# Altium PCB ESP32遥控.PcbDoc
Units mil, origin at the board's own origin, x right, y up, seen from the top; angles counter-clockwise.
Board outline 3937.01 x 2583.19 mil, 2 copper layers (Top1, Bottom2), stack 40.202 mil thick; 58 components, 64 nets, 288 pads, 109 vias.
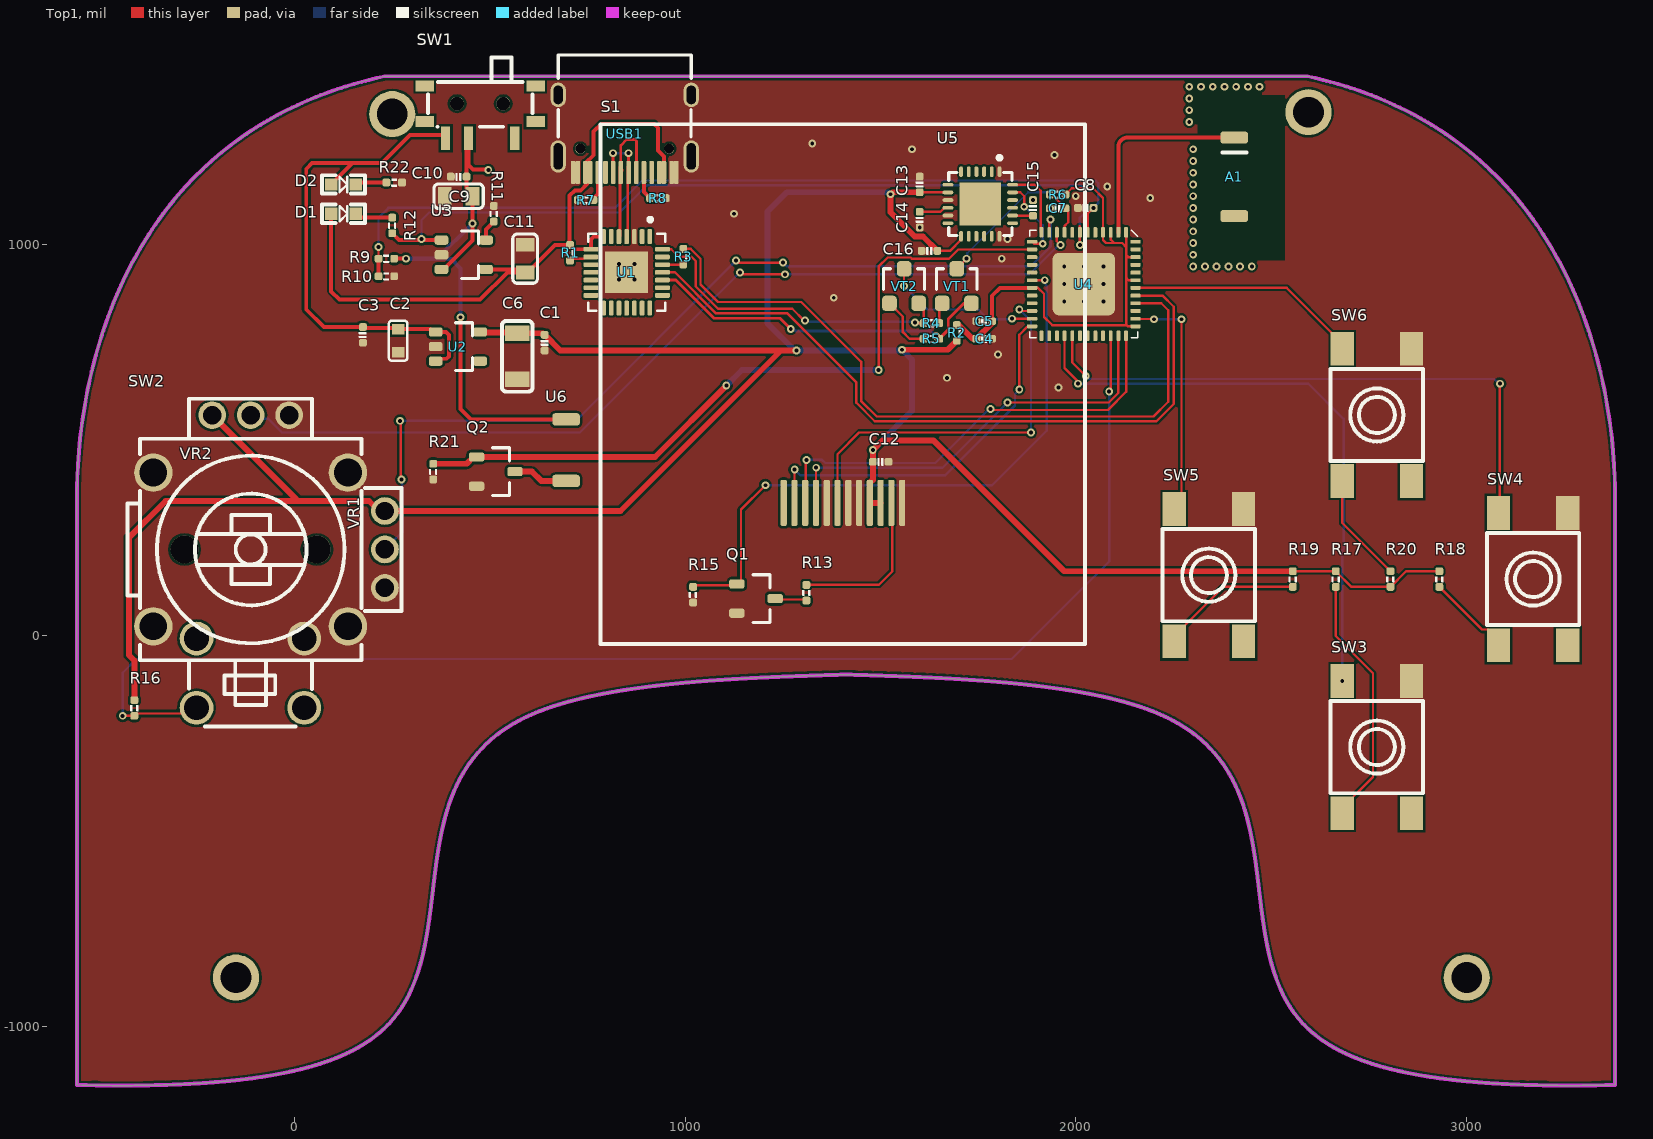
[diagram p0: Top1 view]
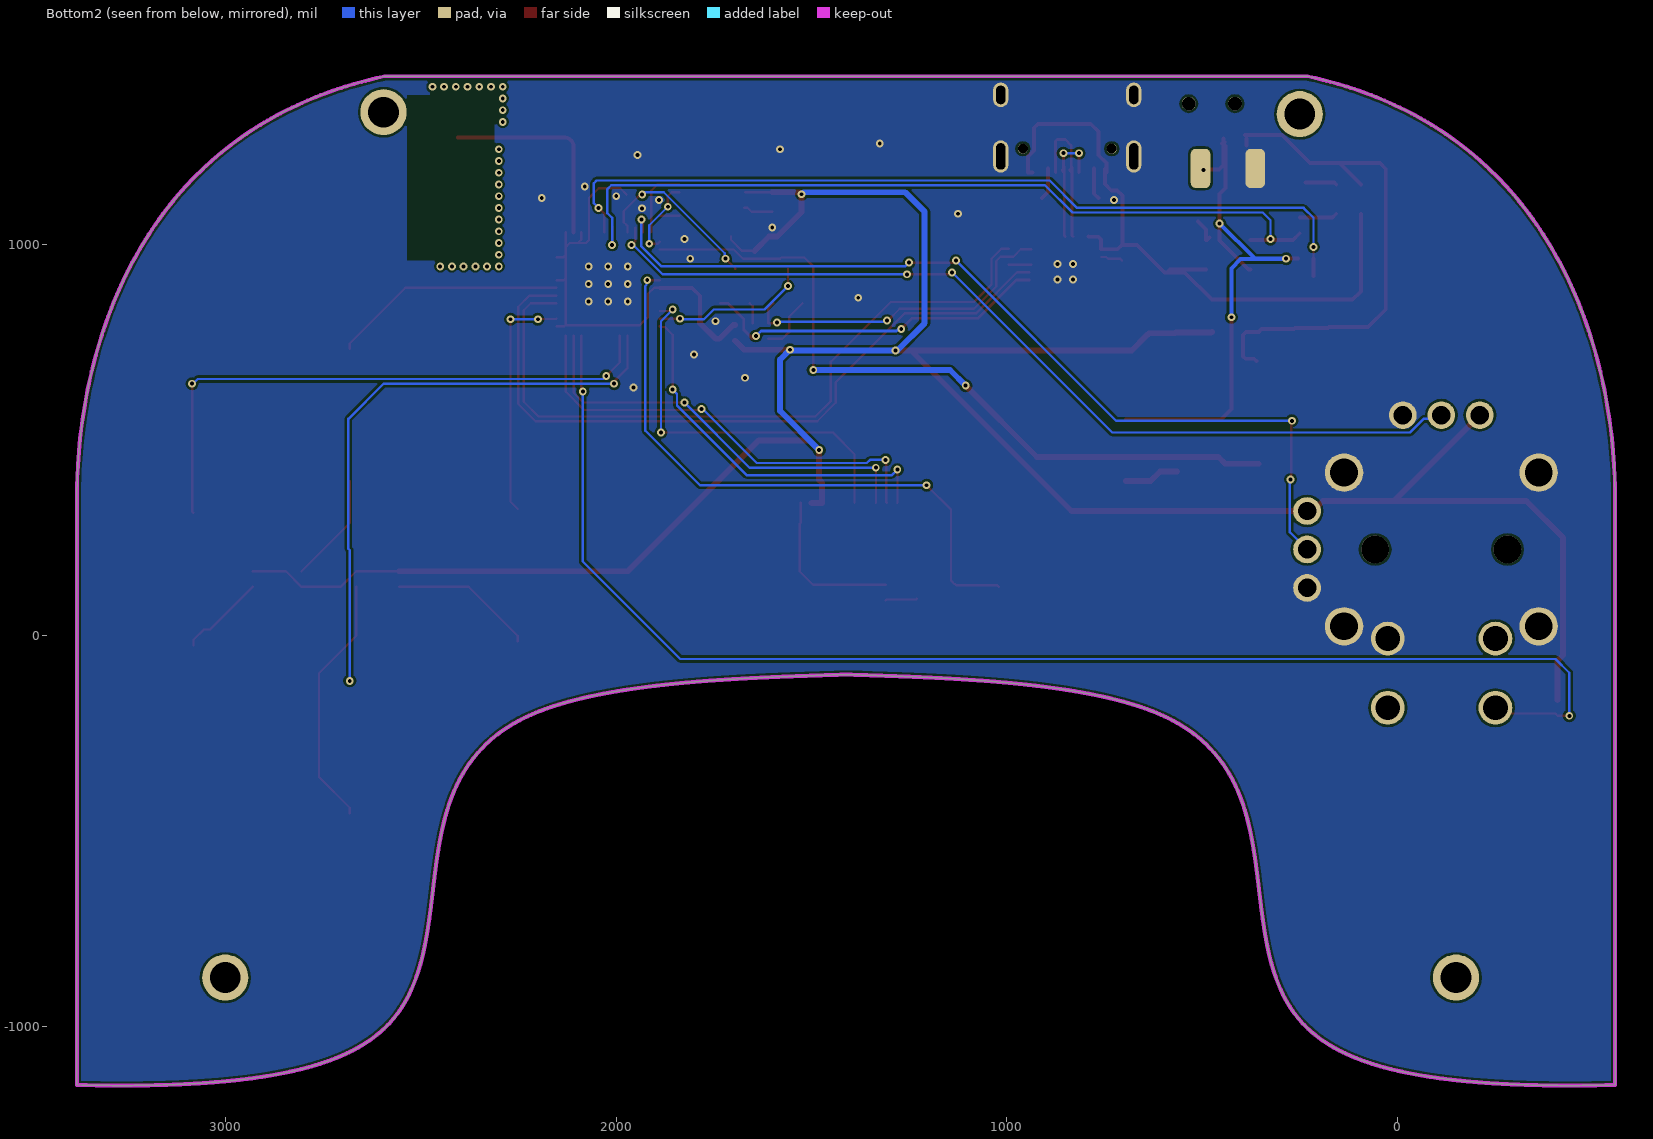
[diagram p1: Bottom2 view, seen from below]
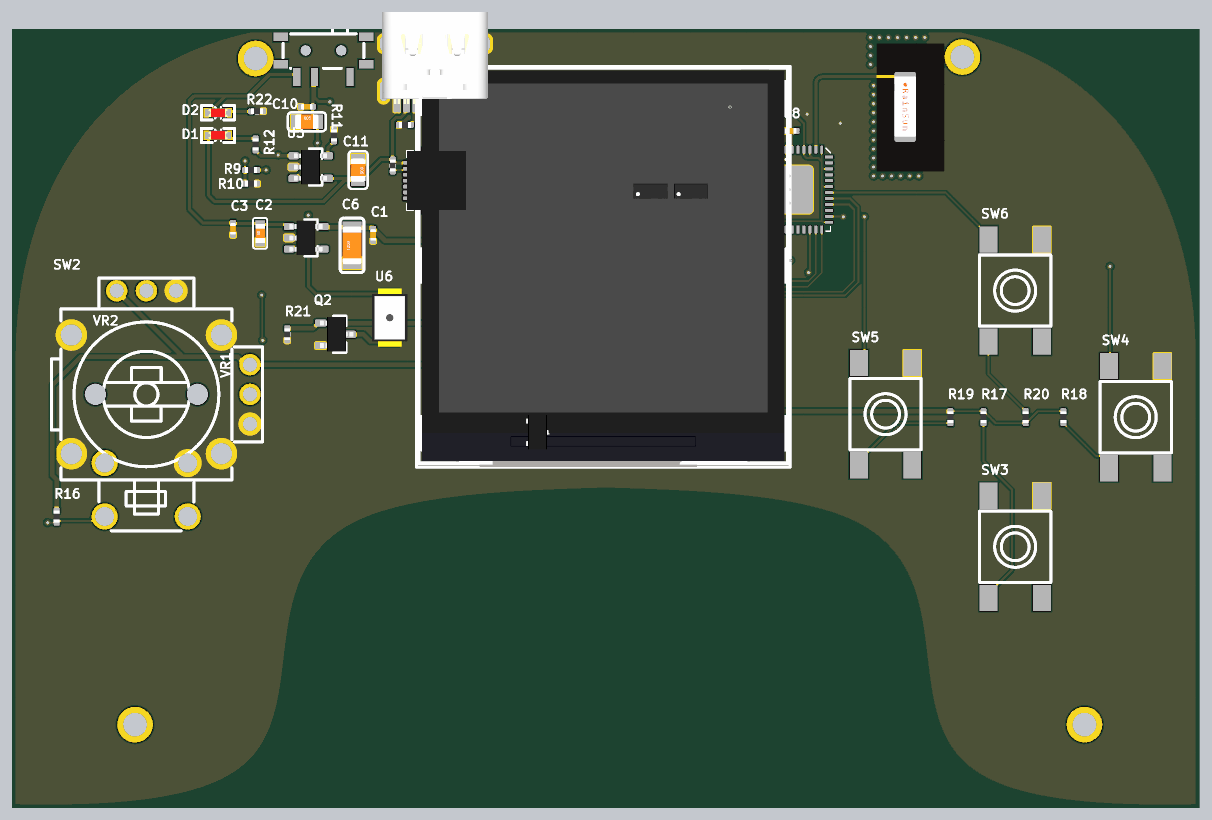
[diagram p2: 3D render of the assembled board from above, using the file's embedded part models]

## Layer stack, top to bottom
Top Solder: solder mask 0.4, Solder Resist, Dk 3.5
Top1: signal copper 1.4
Dielectric 1: core 37.4016, FR-4, Dk 4.2
Bottom2: signal copper 1.4
Bottom Solder: solder mask 0.4, Solder Resist, Dk 3.5

## Board outline
1818 vertices, not listed, extent -557.15,-1151.31 3379.86,1431.88

## Design rules (kind name [scope] priority, off if disabled: settings)
Clearance [All] p1: gap=6 ignorepadtopadclearanceinfootprint=FALSE
ComponentClearance [All] p1: gap=0 collisioncheckmode=3 verticalgap=0 showdistances=FALSE
DiffPairsRouting [All] p1: maxlimit=9 minlimit=9 mostfreqgap=9 toplayer_minwidth=4 toplayer_maxwidth=4 toplayer_prefwidth=4 bottomlayer_minwidth=4 bottomlayer_maxwidth=4 bottomlayer_prefwidth=4 maxuncoupledlength=500
FanoutControl Fanout_BGA [All] p1: bgadir=Out bgaviamode=Centered fanoutstyle=Auto fanoutdirection=Alternating viagrid=1 // Fanout_BGA (Default Rule)
HoleSize [All] p1: absolutevalues=TRUE maxlimit=10000 minlimit=8 maxpercent=80.000 minpercent=20.000
MinimumSolderMaskSliver [All] p1 off: minsoldermaskwidth=2
PlaneClearance [All] p1: clearance=8
PlaneConnect [All] p1: planeconnectstyle=Direct reliefexpansion=20 reliefentries=4 reliefconductorwidth=10 reliefairgap=10
PolygonConnect [All] p1: connectstyle=Direct reliefconductorwidth=10 reliefentries=4 polygonreliefangle="90 Angle" airgapwidth=10
RoutingVias [All] p1: holewidth=8 width=16 viastyle="Through Hole" minholewidth=6 minwidth=12 maxholewidth=28 maxwidth=50
SilkToBoardRegionClearance [All] p1 off:
SilkToSilkClearance [All] p1: silktosilkclearance=0
SilkToSolderMaskClearance [IsPad] p1: minsilkscreentomaskgap=0 clearancetoexposedcopper=TRUE
SolderMaskExpansion [All] p1: expansion=3
Width [All] p1: maxlimit=10000 minlimit=6 preferedwidth=7
20 further rules are at their usual default settings.

## Components (designator, comment, footprint, x,y, rotation, side; value= is the part's Value field where it differs from the comment)
A1 "RAINSUN" ANT-Rainsun-AN5120 2405,1175 r270 top
C1 "104" CAP_0402 640,750 r90 top
C2 "106" 电容_C0603 265,755 r90 top
C3 "104" CAP_0402 175,770 r90 top
C4 "10uF" CAP_0402 1765,760 r180 top value=0.1u
C5 "0.1uF" CAP_0402 1765,805 r0 top value=0.1u
C6 "22uF" 电容_C1206 570,715 r90 top
C7 "1uF" CAP_0402 1953,1093.89 r180 top value=0.1u
C8 "0.1uF" CAP_0402 2025,1095 r0 top value=0.1u
C9 "4.7UF" 电容_C0805 420,1125 r0 top
C10 "104" CAP_0402 420,1175 r180 top
C11 "4.7UF" 电容_C0805 590,965 r270 top
C12 "0.1uF" CAP_0402 1500,445 r180 top value=0.1u
C13 "10nF" CAP_0402 1600,1155 r90 top value=0.1u
C14 "0.1uF" CAP_0402 1600,1065 r270 top value=0.1u
C15 "2.2nF" CAP_0402 1890,1095 r270 top value=0.1u
C16 "0.1uF" CAP_0402 1625,985 r0 top value=0.1u
D1 "red" LED_0603 125,1080 r0 top
D2 "red" LED_0603 125,1155 r0 top
Q1 "AO3400A" SOT23-3 1180.94,95 r0 top
Q2 "AO3400A" SOT23-3 515,420 r0 top
R1 "10K" RES_0402 705,980 r270 top value=22R
R2 "0R" RES_0402 1695,775 r90 top value=22R
R3 "200R" RES_0402 995,970 r270 top value=22R
R4 "12K" RES_0402 1630,800 r0 top value=22R
R5 "12K" RES_0402 1630,760 r180 top value=22R
R6 "10K" RES_0402 1953,1128.89 r180 top value=22R
R7 "5.1K" RES_0402 745,1115 r180 top value=22R
R8 "5.1K" RES_0402 930,1120 r0 top value=22R
R9 "100K" RES_0402 235,965 r0 top value=22R
R10 "100K" RES_0402 235,920 r180 top value=22R
R11 "2K" RES_0402 510,1080 r270 top
R12 "1K" RES_0402 250,1050 r90 top
R13 "10R" RES_0402 1310,110 r90 top value=22R
R15 "10K" RES_0402 1020,105 r90 top value=22R
R16 "10K" RES_0402 -410,-185 r90 top value=22R
R17 "10K" RES_0402 2665,145 r270 top value=22R
R18 "10K" RES_0402 2930,145 r270 top value=22R
R19 "10K" RES_0402 2555,145 r270 top value=22R
R20 "10K" RES_0402 2805,145 r90 top value=22R
R21 "10K" RES_0402 355,420 r90 top value=22R
R22 "1K" RES_0402 255,1160 r180 top
S1 "LCD-240x240" LCD-240x240-FlUSH-154 1403.4,649.06 r0 top locked
SW1 "MSK12C02" SW-TH_MSK12C02 475,1340 r180 top
SW2 "RKJXV1224005" SW-TH_RKJXV1224005 -65,190 r0 top
SW3 "" KEY-SMD_4P-L6.0-W6.0-P4.50-LS8.6 2770,-285 r270 top
SW4 "" KEY-SMD_4P-L6.0-W6.0-P4.50-LS8.6 3170,145 r270 top
SW5 "" KEY-SMD_4P-L6.0-W6.0-P4.50-LS8.6 2340,155 r270 top
SW6 "" KEY-SMD_4P-L6.0-W6.0-P4.50-LS8.6 2770,565 r270 top
U1 "CP2102" QFN-28 850,930 r270 top value=Value
U2 "LP5907-3.3" SOT23-5 420,740 r0 top
U3 "MCP73831" SOT23-5 435,975 r0 top
U4 "ESP32_SIP" QFN-48_7X7 2020,900 r270 top
U5 "MPU6050" QFN-24 1755,1105 r270 top
U6 "DET402" DET402 695,475 r270 top
USB1 "Type-C" Type-C-TOP 845,1285 r90 top
VT1 "S8050" SMT_TRIODE_NPN 1695,895 r0 top
VT2 "S8050" SMT_TRIODE_NPN 1560,895 r0 top

## Footprints (in the part's own frame and the unit in brackets; to place one, negate y for a bottom-side part, rotate by r counter-clockwise, add the part's x,y. Pads: shape width x height; smd on the part's side, far side on the other; paste and mask are expansions set on the pad)
ANT-Rainsun-AN5120 [mm] "选择焊盘"
  rrect50% 0.8x1.8 smd: 1(-2.54,0) ""(2.563,0)
  silkscreen extent -1.57,-0.76 -1.57,0.79, body extent -2.57,-0.91 2.54,0.94, height 1.32
CAP_0402 [mil]
  rrect50% 20x20 smd: 1(-20,0) 2(20,0)
  silkscreen extent -7,-9 7,9, body extent -20,-10 20,10, height 20
DET402 [mm]
  rrect50% 0.8x1.8 smd: 1(-2,0) 2(2,0)
  body extent -2.45,-1.5 2.44,1.5, height 2.03
KEY-SMD_4P-L6.0-W6.0-P4.50-LS8.6 [mm]
  rect 2.2x1.5 smd: 1(-4.3,2.25) 2(4.3,2.25) 3(-4.3,-2.25) 4(4.3,-2.25)
  silkscreen extent -3,-3 3,3
LCD-240x240-FlUSH-154 [mm]
  rrect50% 0.4x3 smd: 1(3.851,-7.85) 2(3.151,-7.85) 3(2.451,-7.85) 4(1.751,-7.85) 5(1.051,-7.85) 6(0.351,-7.85) 7(-0.349,-7.85) 8(-1.049,-7.85) 9(-1.749,-7.85) 10(-2.449,-7.85) 11(-3.149,-7.85) 12(-3.849,-7.85)
  silkscreen extent -15.75,-17.02 15.75,16.76, body extent -15.7,-17.02 15.7,16.76
LED_0603 [mm]
  rect 0.8x0.8 smd paste-0.1: A(-0.8,0) K(0.8,0)
  silkscreen extent -1.4,-0.6 1.4,0.6, body extent -0.8,-0.4 0.82,0.4, height 0.6
QFN-24 [mm]
  oval 0.7x0.25 smd: 1(-2.1,1.25) 2(-2.1,0.75) 3(-2.1,0.25) 4(-2.1,-0.25) 5(-2.1,-0.75) 6(-2.1,-1.25) 13(2.1,-1.25) 14(2.1,-0.75) 15(2.1,-0.25) 16(2.1,0.25) 17(2.1,0.75) 18(2.1,1.25)
  oval 0.25x0.7 smd: 7(-1.25,-2.1) 8(-0.75,-2.1) 9(-0.25,-2.1) 10(0.25,-2.1) 11(0.75,-2.1) 12(1.25,-2.1) 19(1.25,2.1) 20(0.75,2.1) 21(0.25,2.1) 22(-0.25,2.1) 23(-0.75,2.1) 24(-1.25,2.1)
  rect 2.8x2.7 smd: ""(0,0)
  silkscreen extent -3.12,-2.05 2.05,2.05, body extent -2.02,-2.02 2.02,2.02, height 0.95
QFN-28 [mil]
  rrect50% 38x12 smd mask+5: 1(-91.5,59.06) 2(-91.5,39.37) 3(-91.5,19.68) 4(-91.5,0) 5(-91.5,-19.69) 6(-91.5,-39.37) 7(-91.5,-59.06) 15(91.5,-59.06) 16(91.5,-39.37) 17(91.5,-19.69) 18(91.5,0) 19(91.5,19.68) 20(91.5,39.37) 21(91.5,59.06)
  rrect50% 12x38 smd mask+5: 8(-59.06,-91.5) 9(-39.37,-91.5) 10(-19.69,-91.5) 11(0,-91.5) 12(19.68,-91.5) 13(39.37,-91.5) 14(59.06,-91.5) 22(59.06,91.5) 23(39.37,91.5) 24(19.68,91.5) 25(0,91.5) 26(-19.69,91.5) 27(-39.37,91.5) 28(-59.06,91.5)
  rect 106.3x110.24 smd: 29(0,0)
  silkscreen extent -140,-99 99,99, body extent -99,-99 98,98, height 35
QFN-48_7X7 [mm]
  rrect50% 0.675x0.25 smd: 1(-3.363,2.75) 2(-3.363,2.25) 3(-3.363,1.75) 4(-3.363,1.25) 5(-3.363,0.75) 6(-3.363,0.25) 7(-3.363,-0.25) 8(-3.363,-0.75) 9(-3.363,-1.25) 10(-3.363,-1.75) 11(-3.363,-2.25) 12(-3.363,-2.75) 25(3.363,-2.75) 26(3.363,-2.25) 27(3.363,-1.75) 28(3.363,-1.25) 29(3.363,-0.75) 30(3.363,-0.25) 31(3.363,0.25) 32(3.363,0.75) 33(3.363,1.25) 34(3.363,1.75) 35(3.363,2.25) 36(3.363,2.75)
  rrect50% 0.25x0.675 smd: 13(-2.75,-3.363) 14(-2.25,-3.363) 15(-1.75,-3.363) 16(-1.25,-3.363) 17(-0.75,-3.363) 18(-0.25,-3.363) 19(0.25,-3.363) 20(0.75,-3.363) 21(1.25,-3.363) 22(1.75,-3.363) 23(2.25,-3.363) 24(2.75,-3.363) 37(2.75,3.363) 38(2.25,3.363) 39(1.75,3.363) 40(1.25,3.363) 41(0.75,3.363) 42(0.25,3.363) 43(-0.25,3.363) 44(-0.75,3.363) 45(-1.25,3.363) 46(-1.75,3.363) 47(-2.25,3.363) 48(-2.75,3.363)
  rrect20% 4.064x4.064 smd: 49(0,0)
  silkscreen extent -3.5,-3.5 3.5,3.5, body extent -3.5,-3.5 3.5,3.5, height 1
RES_0402 [mil]
  rrect50% 20x20 smd: 1(-20,0) 2(20,0)
  silkscreen extent -7,-10 7,10, body extent -20,-10 20,10, height 14
SMT_TRIODE_NPN [mm] "Surface mount NPN transistor, package SOT-23"
  rrect50% 0.95x1 smd: 1(-0.95,-1.125) 2(0.95,-1.125) 3(0,1.125)
  silkscreen extent -1.33,-0.22 1.32,1.13, body extent -1.45,-1.4 1.45,1.4, height 1.3
SOT23-3 [mm] "SOT23, 3-Leads, Body 3.1x3.0mm (max), Pitch 0.95mm, IPC Medium Density"
  rrect50% 1x0.6 smd: 1(-1.246,0.95) 2(-1.246,-0.95) 3(1.246,0)
  silkscreen extent -0.2,-1.55 0.9,1.55, body extent -1.3,-1.45 1.5,1.45, height 1.2
SOT23-5 [mm] "SOT23, 3-Leads, Body 3.1x3.0mm (max), Pitch 0.95mm, IPC Medium Density"
  rrect50% 0.889x0.6 smd: 1(-1.5,0.95) 2(-1.5,0) 3(-1.5,-0.95) 4(1.396,-0.95) 5(1.396,0.95)
  silkscreen extent -0.2,-1.55 0.9,1.55, body extent -1.48,-1.45 1.32,1.45, height 1.2
SW-TH_MSK12C02 [mm]
  rect 0.6x1.524 smd: 1(-2.25,1.7) 2(0.75,1.7) 3(2.25,1.7)
  rect 1.2x0.7 smd: 4(-3.6,-1.7) 4(-3.6,0.6) 4(3.6,-1.7) 4(3.6,0.6)
  round 0.9 hole 0.9 unplated: ""(-1.5,-0.55) ""(1.5,-0.55)
  silkscreen extent -3.4,-3.55 3.4,0.95
SW-TH_RKJXV1224005 [mm]
  round 1.8 hole 1.2: 1(7.527,-1.719) 2(7.527,0.781) 3(7.527,3.281) 4(1.297,9.511) 5(-1.202,9.511) 6(-3.703,9.511)
  round 2.5 hole 1.8: 7(-7.527,5.781) 8(-7.527,-4.219) 9(5.123,-4.219) 10(5.123,5.781)
  round 2.2 hole 1.6: a(-4.722,-5.011) b(-4.722,-9.511) c(2.278,-5.011) d(2.278,-9.511)
  round 1.8 hole 1.8 unplated: ""(-5.503,0.781) ""(3.097,0.781)
  silkscreen extent -9.2,-10.72 8.6,10.58
Type-C-TOP [mm]
  round 0.65 hole 0.65: 0(-0.98,2.89) 0(-0.98,-2.89)
  oval 1.6x1 hole 0.6 slot 1.2 at 0 deg: 1(2.52,4.325) 2(2.52,-4.325)
  oval 2.1x1 hole 0.6 slot 1.7 at 0 deg: 3(-1.48,-4.325) 4(-1.48,4.325)
  rrect50% 1.5x0.3 smd: A1(-2.52,-3.35) A4(-2.52,-2.55) A5(-2.52,-1.25) A6(-2.52,-0.25) A7(-2.52,0.25) A8(-2.52,1.25) A9(-2.52,2.55) A12(-2.52,3.35) B1(-2.52,3.05) B4(-2.52,2.25) B5(-2.52,1.75) B6(-2.52,0.75) B7(-2.52,-0.75) B8(-2.52,-1.75) B9(-2.52,-2.25) B12(-2.52,-3.05)
  silkscreen extent -0.22,-4.33 5.12,4.33, body extent -2.57,-4.48 5.18,4.48, height 3.26
电容_C0603 [mm]
  rect 0.7x0.8 smd: 1(-0.75,0) 2(0.75,0)
  silkscreen extent -1.3,-0.6 1.3,0.6, body extent -0.8,-0.4 0.8,0.4, height 0.3
电容_C0805 [mm]
  rect 0.9x1.2 smd: 1(-0.9,0) 2(0.9,0)
  silkscreen extent -1.6,-0.8 1.6,0.8, body extent -1,-0.62 1,0.63, height 0.77
电容_C1206 [mm]
  rect 1x1.6 smd: 1(-1.5,0) 2(1.5,0)
  silkscreen extent -2.3,-1 2.3,1, body extent -1.6,-0.8 1.6,0.8, height 1

## Part data
A1: library part ANT-Rainsun-AP5120
C1 C2 C3 C6 C9 C10 C11: library part cap, U=50V, 参数=Cap,0805,X7R,104K,50V,125C,±1
  C1 C3 C10: C=104
  C2: C=106
  C6: C=22uF
  C9 C11: C=4.7UF
C4 C5 C7 C8 C12 C13 C14 C15 C16: library part 电容-0402, "Capacitor"
D1 D2: library part LED, 参数=LED,0603,Re
Q1 Q2: "N-MOS"
R1 R2 R3 R4 R5 R6 R7 R8 R9 R10 R13 R15 R16 R17 R18 R19 R20 R21: library part 电阻-0402, "Resistor"
R11 R12 R22: library part Res, P=1/8W, 参数=Res,0805,0R,±1%,1/8W,100ppm,15
  R11: R=2K
  R12 R22: R=1K
S1: "显示屏"
SW1: BOM_JLCPCB Part Class="Extended Part", BOM_Manufacturer="SHOU HAN", Package Display=Yes, BOM_Manufacturer Part=MSK12C02, BOM_Supplier=LCSC, BOM_Supplier Part=C431540, Contributor=LCSC, spicePre=S, spiceSymbolName=MSK12C02
SW2: BOM_JLCPCB Part Class="Extended Part", BOM_Manufacturer="ALPS Electric", BOM_Manufacturer Part=RKJXV1224005, BOM_Supplier=LCSC, BOM_Supplier Part=C146170, Contributor=LCSC, spicePre=S, spiceSymbolName=RKJXV1224005
SW3 SW4 SW5 SW6: library part TS-1095S-A16B2-C2D1, BOM_JLCPCB Part Class="Extended Part", BOM_Manufacturer=Yuandi, BOM_Manufacturer Part=TS-1095S-A16B2-C2D1, BOM_Supplier=LCSC, BOM_Supplier Part=C782843, Contributor=LCSC, spicePre=S, spiceSymbolName=TS-1095S-A16B2-C2D1
U1: "USBתTTL", MFG #1="SILICON LABS", PART DESC="SINGLE-CHIP USB TO UART BRIDGE, QFN28, RoHS.", PART NUMBER=CP2102, RefDes=RefDes, Type=DEV
U2: library part LP5907, "LDO"
U3: "线性充电管理控制器"
U4: library part ESP32-PICO
U5: "六轴传感器"
USB1: library part USB-Type-C-TOP
VT1 VT2: library part SMT_TRIODE_NPN, "Surface mount NPN transistor, package SOT-23"

## Free pads (board coordinates)
  round 118.11 hole 78.74: ""(-150,-875) ""(250,1335) ""(2595,1340) ""(3000,-875)
  rrect50% 50x100 smd far side: ""(364,1196) ""(504,1196)

## Via types
v1: diameter 20, hole 10, Top1 to Bottom2, tented both sides, 109 vias

## Nets (pads, with @x,y where several pads share a name; then routed paths per layer and width w, separated by ;. In a path a pad name is that pad's centre, name@x,y a point inside that pad or via, vN(x,y) a via of type N, cw(c..) or ccw(c..) an arc to the next point about the centre after c; other vN are vias at no path point)
3V3A: C4.2 C5.2 R2.2 R6.1 U4.1 U4.3 U4.4 U4.19 U4.37 U4.43 U4.46 | length 1245.6
  Top1 w6: U4.19 1902.84,890.16 1918,875 1918,816 1939,795 2126.54,795 2128.27,796.73 ; R6.1 1989.11,1145 2044.21,1145 2069.21,1120 U4.4 2069.21,1012.79 2077,1005 2097.63,1005 ; U4.3 2088.9,1013.74 2097.63,1005 ; U4.1 2128.27,995 ; U4.37 2133.27,791.73 2128.27,796.73 ; U4.43 2135.16,909.84 2128.27,916.73 ; U4.46 2134.1,968.9 2128.27,974.73 ; 2097.63,1005 2118.27,1005 2128.27,995 ; 2128.27,796.73 2128.27,916.73 ; 2128.27,916.73 2128.27,974.73 ; 2128.27,974.73 2128.27,995
  Top1 w10: C5.2 1785,870 1805,890 1887.46,890 U4.19
  Top1 w15: R2.2 1700,795 1735,760 C4.2@1740,760 ; C4.2 1785,800 C5.2
BAT_DET: C8.2 R9.1 R10.2 U4.6 | length 2171.2
  Top1 w6: R9.1 v1(215,995) ; U4.6 2029.84,1079.84 C8.2 v1(2044.69,1095)
  Top1 w10: R10.2 R9.1
  Bottom2 w6: v1(215,995) 215,1069.84 240.16,1095 820,1095 890,1165 2050,1165 2056.71,1158.29 2056.71,1107.03 v1(2044.69,1095)
BUZZ: Q2.1 R21.2 U4.14 | length 1917.6
  Top1 w6: v1(1495,680) 1495,793.85 1494.9,793.96 1494.9,944.9 1517.98,967.98 1576.95,967.98 1579.93,965 1675.07,965 1698.65,988.58 U4.14
  Top1 w15: R21.2 440.67,440 458.07,457.4 Q2.1 922.4,457.4 v1(1105,640)
  Bottom2 w15: v1(1105,640) 1145,680 v1(1495,680)
CHG_DET: R12.1 U3.1 U4.7 | length 2132.8
  Top1 w6: v1(2010,1000) 2010,1048.67 2010.08,1048.67 U4.7 U4.7
  Top1 w10: R12.1 267.6,1012.4 U3.1
  Bottom2 w6: v1(325,1015) 325,1063.12 344.88,1083 832,1083 902,1153 2012,1153 2022,1143 2022,1081.5 2010,1069.5 v1(2010,1000)
CP_Rx: U1.25 U4.41 | length 1873.6
  Top1 w6: U1.25 973.68,930 1078.68,825 1261.38,825 1438,648.38 1438,596 1485,549 2206,549 2250,593 2250,842 2221.53,870.47 U4.41
CP_Tx: R3.1 U4.40 | length 1856.9
  Top1 w6: R3.1 1014,990 1039,965 1039,898.62 1083.65,853.97 1297.03,853.97 1450,701 1450,600.97 1489.97,561 2198,561 2236,599 2236,833 2218.21,850.79 U4.40
DTR: R4.1 U1.28 VT2.2 | length 846
  Top1 w6: U1.28@936.5,989.06 963.95,989.06 983,970 1016,970 1027,959 1027,893.65 1083.65,837 1274,837 1304.13,806.88 v1(1306.38,806.88) ; v1(1588,802) 1590,800 R4.1 1610,838.11 VT2.2
  Bottom2 w6: v1(1306.38,806.88) 1309.5,803.75 1586.25,803.75 v1(1588,802)
EN: C7.1 R6.2 U4.9 VT1.3 | length 451.9
  Top1 w6: VT1.3 1695,940.28 v1(1719.72,965) ; v1(1933,1128.89) 1938,1128.89 C7.1 1980,1086.89 1980,1058 1970.79,1048.79 U4.9
  Bottom2 w6: v1(1719.72,965) 1721.64,966.91 1721.64,978.9 1877.74,1135 1926.89,1135 v1(1933,1128.89)
FLASH_CLK: U4.31
FLASH_CS: U4.25
FLASH_SD0: U4.27
FLASH_SD1: U4.33
FLASH_SD2: U4.30
FLASH_SD3: U4.32
GND: C1.1 C2.1 C3.1 C4.1 C5.1 C6.1 C7.2 C8.1 C9.1 C10.2 C11.1 C12.1 C13.2 C14.2 C15.1 C16.1 pad.@364,1196 Q1.2 Q2.2 R7.2 R8.2 R10.1 R11.1 R15.1 R21.1 R22.1 S1.1 S1.5 S1.6 S1.8 SW2.1 SW2.4 SW2.7 SW2.8 SW2.9 SW2.10 SW2.c SW3.1 SW4.1 SW5.1 SW6.1 U1.3 U1.29 U2.2 U3.2 U4.49 U5.1 U5.9 U5.11 U5.18 USB1.1 USB1.2 USB1.3 USB1.4 USB1.A1 USB1.A12 USB1.B1 USB1.B12
  other v1: 1955,635 1670,660 1800,720 1745,805 1970,855 2020,855 2070,855 1380,865 1970,900 2020,900 2070,900 830.31,911.5 870.31,911.5 1970,945 2020,945 2070,945 830.31,951.5 870.31,951.5 1810,965 1825,1015 1600,1045 1125,1080 1933.31,1093.89 725.32,1115 1890,1115 2190,1120 1999.31,1125 2080,1150 1945,1230 1580,1245 1325,1260
GPIO0: U4.23 VT2.3 | length 417.7
  Top1 w6: v1(1560,895) VT2.3 ; v1(1836.42,811.42) U4.23
  Bottom2 w6: v1(1560,895) 1620,835 1750,835 1775,810 1840,810 1841.42,811.42 v1(1836.42,811.42)
GPIO2: S1.7 U4.22 | length 1004.6
  Top1 w6: S1.7 1389.65,464.65 1445,520 v1(1885,520) ; v1(1855,835) 1857.71,835 1861.6,831.1 U4.22
  Bottom2 w6: v1(1855,835) 1885,805 v1(1885,520)
GPIO4: S1.11 U4.24 | length 956
  Top1 w6: S1.11 1279.7,340.3 1279.7,424.7 v1(1280,425) ; v1(1855,630) 1855,770 1875,790 1885.89,790 U4.24
  Bottom2 w6: v1(1280,425) 1294,411 1666.01,411 1844,588.99 1844,619 v1(1855,630)
GPIO5: R16.1 SW2.b U4.34 | length 3529.9
  Top1 w6: v1(-440,-205) R16.1 -404.23,-199.23 -265.68,-199.23 SW2.b ; v1(2085,625) 2085,627.71 2088.9,631.6 U4.34
  Bottom2 w6: v1(-440,-205) -440,-95 -404.59,-59.59 1835.41,-59.59 2085,190 v1(2085,625)
GPIO9: SW3.3 U4.28 | length 1526.3
  Top1 w6: U4.28 1970.79,685.17 2005,650.96 v1(2005,645)
  Bottom2 w6: v1(2005,645) 2595,645 2685,555 2685,222.79 2681.42,219.21 v1(2681.42,-115.71)
GPIO10: SW4.3 U4.29 | length 1517.4
  Top1 w6: U4.29 1990.47,699.53 v1(2025,665) ; SW4.3 3085,317.87 v1(3085,645)
  Bottom2 w6: v1(2025,665) 2033,657 3070.29,657 3082.29,645 v1(3085,645)
GPIO12: Q1.1 R15.2 U4.18 | length 1596.6
  Top1 w6: R15.2 1023.7,128.7 1128.19,128.7 Q1.1 1134.08,132.4 1142.67,140.99 1142.67,322.67 v1(1205,385) ; U4.18 1887.7,909.92 1919.92,909.92 v1(1920,910)
  Bottom2 w6: v1(1205,385) 1785,385 1925,525 1925,895 1921.91,898.09 1921.91,908.09 v1(1920,910)
GPIO13: U4.20
GPIO14: U4.17
GPIO15: U4.21
GPIO18: S1.9 U4.35 | length 1089.1
  Top1 w6: S1.9 1334.76,340.24 1334.76,429.76 v1(1335,430) ; v1(1825,596.86) 2083.73,596.86 2108.58,621.71 U4.35
  Bottom2 w6: v1(1335,430) 1658.14,430 v1(1825,596.86)
GPIO19: SW5.3 U4.38 | length 611.6
  Top1 w6: U4.38 2153.09,810.71 2199.29,810.71 v1(2200,810) ; SW5.3 2270,342.87 v1(2270,810)
  Bottom2 w6: v1(2200,810) v1(2270,810)
GPIO21: SW6.3 U4.42 | length 601.7
  Top1 w6: U4.42 2539.33,890.16 2681.42,748.07 SW6.3
GPIO22: U4.39
GPIO23: S1.10 U4.36 | length 1153.4
  Top1 w6: S1.10 1308.48,341.52 1308.48,448.48 v1(1310,450) ; v1(1781.27,580) 1783.41,577.86 2081.7,577.86 2128.27,624.43 U4.36
  Bottom2 w6: v1(1310,450) 1350,450 1358,442 1640.03,442 1778.03,580 v1(1781.27,580)
GPIO26: U4.15
GPIO27: U4.16
GPIO32: U4.12 U5.24 | length 185.8
  Top1 w6: U5.24 1894.52,1154.21 1910,1138.74 1910,1034.11 U4.12
GPIO33: U4.13 U5.23 | length 204.9
  Top1 w6: U5.23 1837.91,1134.76 1857.5,1134.76 1867.46,1124.81 v1(1867.46,1097.85) ; U4.13 1892.79,1003.09 v1(1915,1003.09)
  Bottom2 w6: v1(1867.46,1097.85) 1915,1050.3 v1(1915,1003.09)
GPIO34: SW2.5 U4.10 | length 2341.7
  Top1 w6: v1(1140,930) 1142.71,930 1147.71,925 v1(1255,925) ; U4.10@1951.1,1043.9 U4.10 1950.55,1031.83 1950.55,1009.45 v1(1960,1000)
  Bottom2 w6: SW2.5 -103.49,555.59 -67.91,555.59 -32.33,520.01 730.01,520.01 v1(1140,930) ; v1(1255,925) 1880.75,925 1955.75,1000 v1(1960,1000)
GPIO35: SW2.2 U4.11 | length 2315.7
  Top1 w6: v1(270,550) 271.74,548.26 271.74,401.74 v1(273.48,400) ; v1(1130,960) 1130,957.71 1132.71,955 v1(1250,955) ; U4.11 1931.42,1061.42 v1(1935,1065)
  Bottom2 w6: SW2.2 275.78,265.18 275.78,394.99 273.48,397.29 v1(273.48,400) ; v1(270,550) 720,550 v1(1130,960) ; v1(1250,955) 1259,946 1884.78,946 1935,996.22 v1(1935,1065)
LCD_LEDK: R13.2 S1.2 | length 410.6
  Top1 w6: R13.2 1495,130 1530,165 1530,286.26 1527.44,288.82 S1.2
NetA1_1: A1.1 U4.2 | length 527.8
  Top1 w10: U4.2 2108.58,1251.68 ; 2108.58,1253.09 cw(c2128.96,1253.09) 2114.55,1267.5 cw(c2132.66,1249.39) 2132.66,1275 A1.1
NetC14_1: C14.1 U5.10 | length 76.5
  Top1 w6: C14.1 1653.3,1085 1663.46,1095.16 U5.10
NetC15_2: C15.2 U5.20 | length 52.7
  Top1 w6: U5.20 1838.15,1075 1880.04,1075 1880.28,1075.24 1889.76,1075.24 C15.2
NetD1_K: D1.K R12.2 | length 97.6
  Top1 w10: D1.K 166.5,1070 R12.2
NetD2_K: D2.K R22.2 | length 80.6
  Top1 w10: D2.K 161.5,1160 R22.2
NetQ1_3: Q1.3 R13.1 | length 82.1
  Top1 w6: Q1.3 1232.5,92.5 1307.5,92.5 R13.1
NetQ2_3: Q2.3 U6.2 | length 140.8
  Top1 w15: Q2.3 607.64,420 631.38,396.26 U6.2
NetR1_2: R1.2 U1.9 | length 57.4
  Top1 w6: R1.2 709.69,964.69 740.81,964.69 745.5,969.37 U1.9
NetR3_2: R3.2 U1.26 | length 58.2
  Top1 w6: U1.26@936.5,949.69 R3.2@994.69,949.69
NetR4_2: R4.2 VT1.1 | length 53.9
  Top1 w6: R4.2 1650,843.11 VT1.1
NetR5_2: R5.2 VT2.1 | length 148
  Top1 w6: VT2.1 1557,816.31 1557,777 1574,760 R5.2
NetR7_1: R7.1 USB1.B5 | length 80.4
  Top1 w10: R7.1@765,1120 776.1,1131.1 USB1.B5@776.1,1195.79
NetR8_1: R8.1 USB1.A5 | length 82.3
  Top1 w10: USB1.A5@894.21,1195.79 894.21,1135.79 R8.1
NetR11_2: R11.2 U3.5 | length 67.9
  Top1 w10: U3.5@480.79,1019.14 487.53,1012.4 U3.5 489.94,1039.94 R11.2
NetR17_2: R17.2 SW3.4 | length 651.2
  Top1 w6: R17.2 2665,-0.92 2760,-95.92 2760,-361.93 2681.42,-440.51 SW3.4
NetR18_2: R18.2 SW4.4 | length 221.3
  Top1 w6: R18.2 3038.98,16.02 3054.89,16.02 3081.42,-10.51 SW4.4
NetR19_2: R19.2 SW5.4 | length 369.3
  Top1 w6: SW5.4 2251.42,-0.51 2376.93,125 R19.2
NetR20_2: R20.2 SW6.4 | length 281.9
  Top1 w6: SW6.4 2681.42,288.58 R20.2
RTS: R5.1 U1.24 VT1.2 | length 897.9
  Top1 w7: U1.24 975.69,910.32 1073.5,812.5 1242.5,812.5 v1(1270,785) ; R5.1 1673,783 1673,811 1712.71,850.71 VT1.2
  Bottom2 w7: v1(1270,785) 1273,785 1275,787 1282,780 1629,780 v1(1642,767)
SENSOR_VN: U4.8
SENSOR_VP: U4.5
USB-PWR-DM: U1.5 USB1.A7 USB1.B7 | length 452
  Top1 w7: U1.5 832.75,1023.94 832.75,1195.79 USB1.A7@832.75,1199.37 ; USB1.A7 USB1.A7@835.16,1193.38 ; USB1.A7@835.16,1189.37 USB1.A7@835.16,1193.38 ; USB1.A7@835.16,1189.8 USB1.A7@835.16,1195.79 ; USB1.A7@837.75,1189.37 USB1.A7@837.75,1193.38 ; USB1.B7 875,1186.26 875,1265.9 870.9,1270 850,1270 835.16,1255.16 ; USB1.A7@835.16,1193.38 835.16,1255.16 ; USB1.A7@835.16,1193.38 835.16,1255.16
USB-PWR-DP: U1.4 USB1.A6 USB1.B6 | length 412.3
  Top1 w7: v1(815,1235) 815.24,1234.76 815.24,1186.02 USB1.B6 ; U1.4 852.44,1023.94 852.44,1195.79 USB1.A6@852.44,1199.37 ; USB1.A6 854.92,1185.87 USB1.A6@854.92,1193.38 ; USB1.A6@854.92,1189.37 USB1.A6@854.92,1193.38 ; USB1.A6@854.92,1189.8 v1@854.92,1234.92 ; v1(855,1235) v1@854.92,1234.92 ; USB1.A6@857.44,1189.37 USB1.A6@857.44,1193.38 ; USB1.A6@854.92,1193.38 v1@854.92,1234.92 ; USB1.A6@854.92,1193.38 v1@854.92,1234.92
  Bottom2 w7: v1@815.24,1234.76 v1@855.24,1234.76
VBAT: C9.2 C10.1 pad.@504,1196 R9.2 SW1.2 U3.3 U6.1 | length 1525.1
  Top1 w10: R9.2 v1(285,965) ; U3.3 381.63,937.6 455.43,1011.4 C9.2 455.43,1130.91 440,1146.34 C10.1 440,1253.69 SW1.2@442.98,1256.67 ; v1(425,815) 425,580 451.26,553.74 U6.1 ; SW1.2@442.03,1263.33 SW1.2@444.53,1265.83 ; SW1.2@444.53,1255.83 SW1.2@445.47,1256.78 ; SW1.2 SW1.2@445.47,1256.78 ; SW1.2@448.58,1259.89 SW1.2@445.47,1256.78 ; v1(495.94,1191.66) 494.79,1192.81 457.19,1192.81 445.47,1204.53 SW1.2@445.47,1256.78
  Bottom2 w10: v1(425,815) 425,940 401.15,963.85 286.15,963.85 v1(285,965) 365,965 v1(455,1055)
VBAT_IN: C2.2 C3.2 D2.A SW1.3 U2.1 U2.3 | length 1341.7
  Top1 w10: D2.A 148.5,1210 ; U2.1@349,784.14 U2.1@355.75,777.4 ; U2.1@354.77,777.4 347.64,784.53 C2.2 262.26,787.26 177.74,787.26 C3.2 75,790 30,835 30,1195 45,1210 148.5,1210 ; U2.3 367.2,708.85 388.85,708.85 395,715 395,770 387.6,777.4 U2.1 ; SW1.3@386.42,1254.89 SW1.3 ; SW1.3@390.48,1281.41 295.49,1281.41 224.07,1210 148.5,1210
VCC_3V3: C1.2 C6.2 C12.2 C13.1 C16.2 R2.1 R16.2 R17.1 R18.1 R19.1 R20.1 S1.3 S1.4 SW2.3 SW2.6 U2.5 U5.8 U5.13 | length 7133.2
  Top1 w6: C13.1 U5.8@1670,1135 ; C16.2 1677.32,985 1705.79,1013.46 U5.13 ; R19.1 R17.1 2705,125 R20.1 2845,165 R18.1
  Top1 w15: R16.2 -410,-63.35 -424.06,-49.28 -424.06,250.94 -330,345 190.4,345 216.23,319.17 SW2.3 834.17,319.17 1245,730 ; SW2.6 4.33,349.33 ; U2.5 476.62,775.73 568.33,775.73 C6.2 635.94,774.06 C1.2 680,730 1245,730 ; v1(1285,730) 1245,730 ; S1.3 S1.4 1472.32,391.18 1480,398.86 C12.2 v1(1480,475) 1505,500 1635,500 1970,165 R19.1 ; v1(1555,732) 1672,732 R2.1 ; C13.1 1530.27,1135 1525.27,1130 v1(1525,1130) 1525,1083.84 1587.34,1021.5 1608.5,1021.5 C16.2
  Bottom2 w15: v1(1480,475) 1580,575 1580,707 v1(1555,732) ; v1(1525,1130) 1520,1135 1260,1135 1210,1085 1210,800 1280,730 v1(1285,730) v1@1555,730
VUSB: C11.2 D1.A R1.1 U1.7 U1.8 U3.4 USB1.A4 USB1.A9 USB1.B4 USB1.B9 | length 1745.5
  Top1 w10: D1.A 93.5,881.5 115,860 475,860 544.57,929.57 C11.2 ; U3.4 581.97,937.6 C11.2 ; USB1.A9 744.61,1209.41 765,1229.8 765,1290 785,1310 920,1310 930,1300 930,1241.55 945.39,1226.15 USB1.A4 USB1.B9 ; USB1.A9@744.92,1191.3 USB1.A9@745.83,1192.2 ; USB1.A9@748.7,1194.88 748.7,1156.27 732.43,1140 717.37,1140 704,1126.63 704,1001 R1.1 ; U1.7 790.44,1021 765,1021 758.5,1014.5 U1.8 715.94,989.06 R1.1 ; C11.2 595.91,929.57 666.34,1000 R1.1
pads on no net: A1. S1.12 SW1. SW1.1 SW1.4 SW2. SW2.a SW2.d SW3.2 SW4.2 SW5.2 SW6.2 U1.1 U1.2 U1.6 U1.10 U1.11 U1.12 U1.13 U1.14 U1.15 U1.16 U1.17 U1.18 U1.19 U1.20 U1.21 U1.22 U1.23 U1.27 U2.4 U4.26 U4.44 U4.45 U4.47 U4.48 U5. U5.2 U5.3 U5.4 U5.5 U5.6 U5.7 U5.12 U5.14 U5.15 U5.16 U5.17 U5.19 U5.21 U5.22 USB1.0 USB1.A8 USB1.B8
copper on no net:
  other v1: 2300,945 2330,945 2360,945 2390,945 2420,945 2450,945 2300,975 2300,1005 2300,1035 2300,1065 2300,1095 2300,1125 2300,1155 2300,1185 2300,1215 2300,1245 2290,1315 2290,1345 2290,1375 2290,1405 2320,1405 2350,1405 2380,1405 2410,1405 2440,1405 2470,1405

## Polygon pours and split planes (outlines as drawn)
GND on Bottom2 "GND_L02_P001" (solid, remove dead copper, pour order 1): -843.49,1557.59 -748.66,-1331.03 3784.7,-1318.35 3637.33,1557.59
GND on Top1 "GND_L01_P000" (solid, remove dead copper, pour order 0): -614.29,1473.29 -659.81,-1243.29 3796.18,-1279.4 3515.13,1519.41

## Keep-outs
Keep-Out Layer:
  drawing of 1817 lines, arcs and shapes, not listed

## Other copper
Top1:
  pour cut-out: 2310,1385 2310,960 2535,960 2535,1385
Bottom2:
  pour cut-out: 2310,1385 2310,960 2535,960 2535,1385

## Silkscreen, mask and mechanical layers (free items; w line width, h text height)
Top Solder:
  rectangle: 2310,960 2535,1385
Bottom Solder:
  rectangle: 2310,960 2535,1385
Mechanical 1:
  drawing of 1784 lines, arcs and shapes, not listed

## Text inside footprints (layer, text, board x,y; h text height)
SW2: Top Overlay "VR2" at -293.47,451.21 h30; Top Overlay "VR1" at 165.02,272.28 h30 r90